# Allegro board NewTMR-March-2-2026.brd (continued)
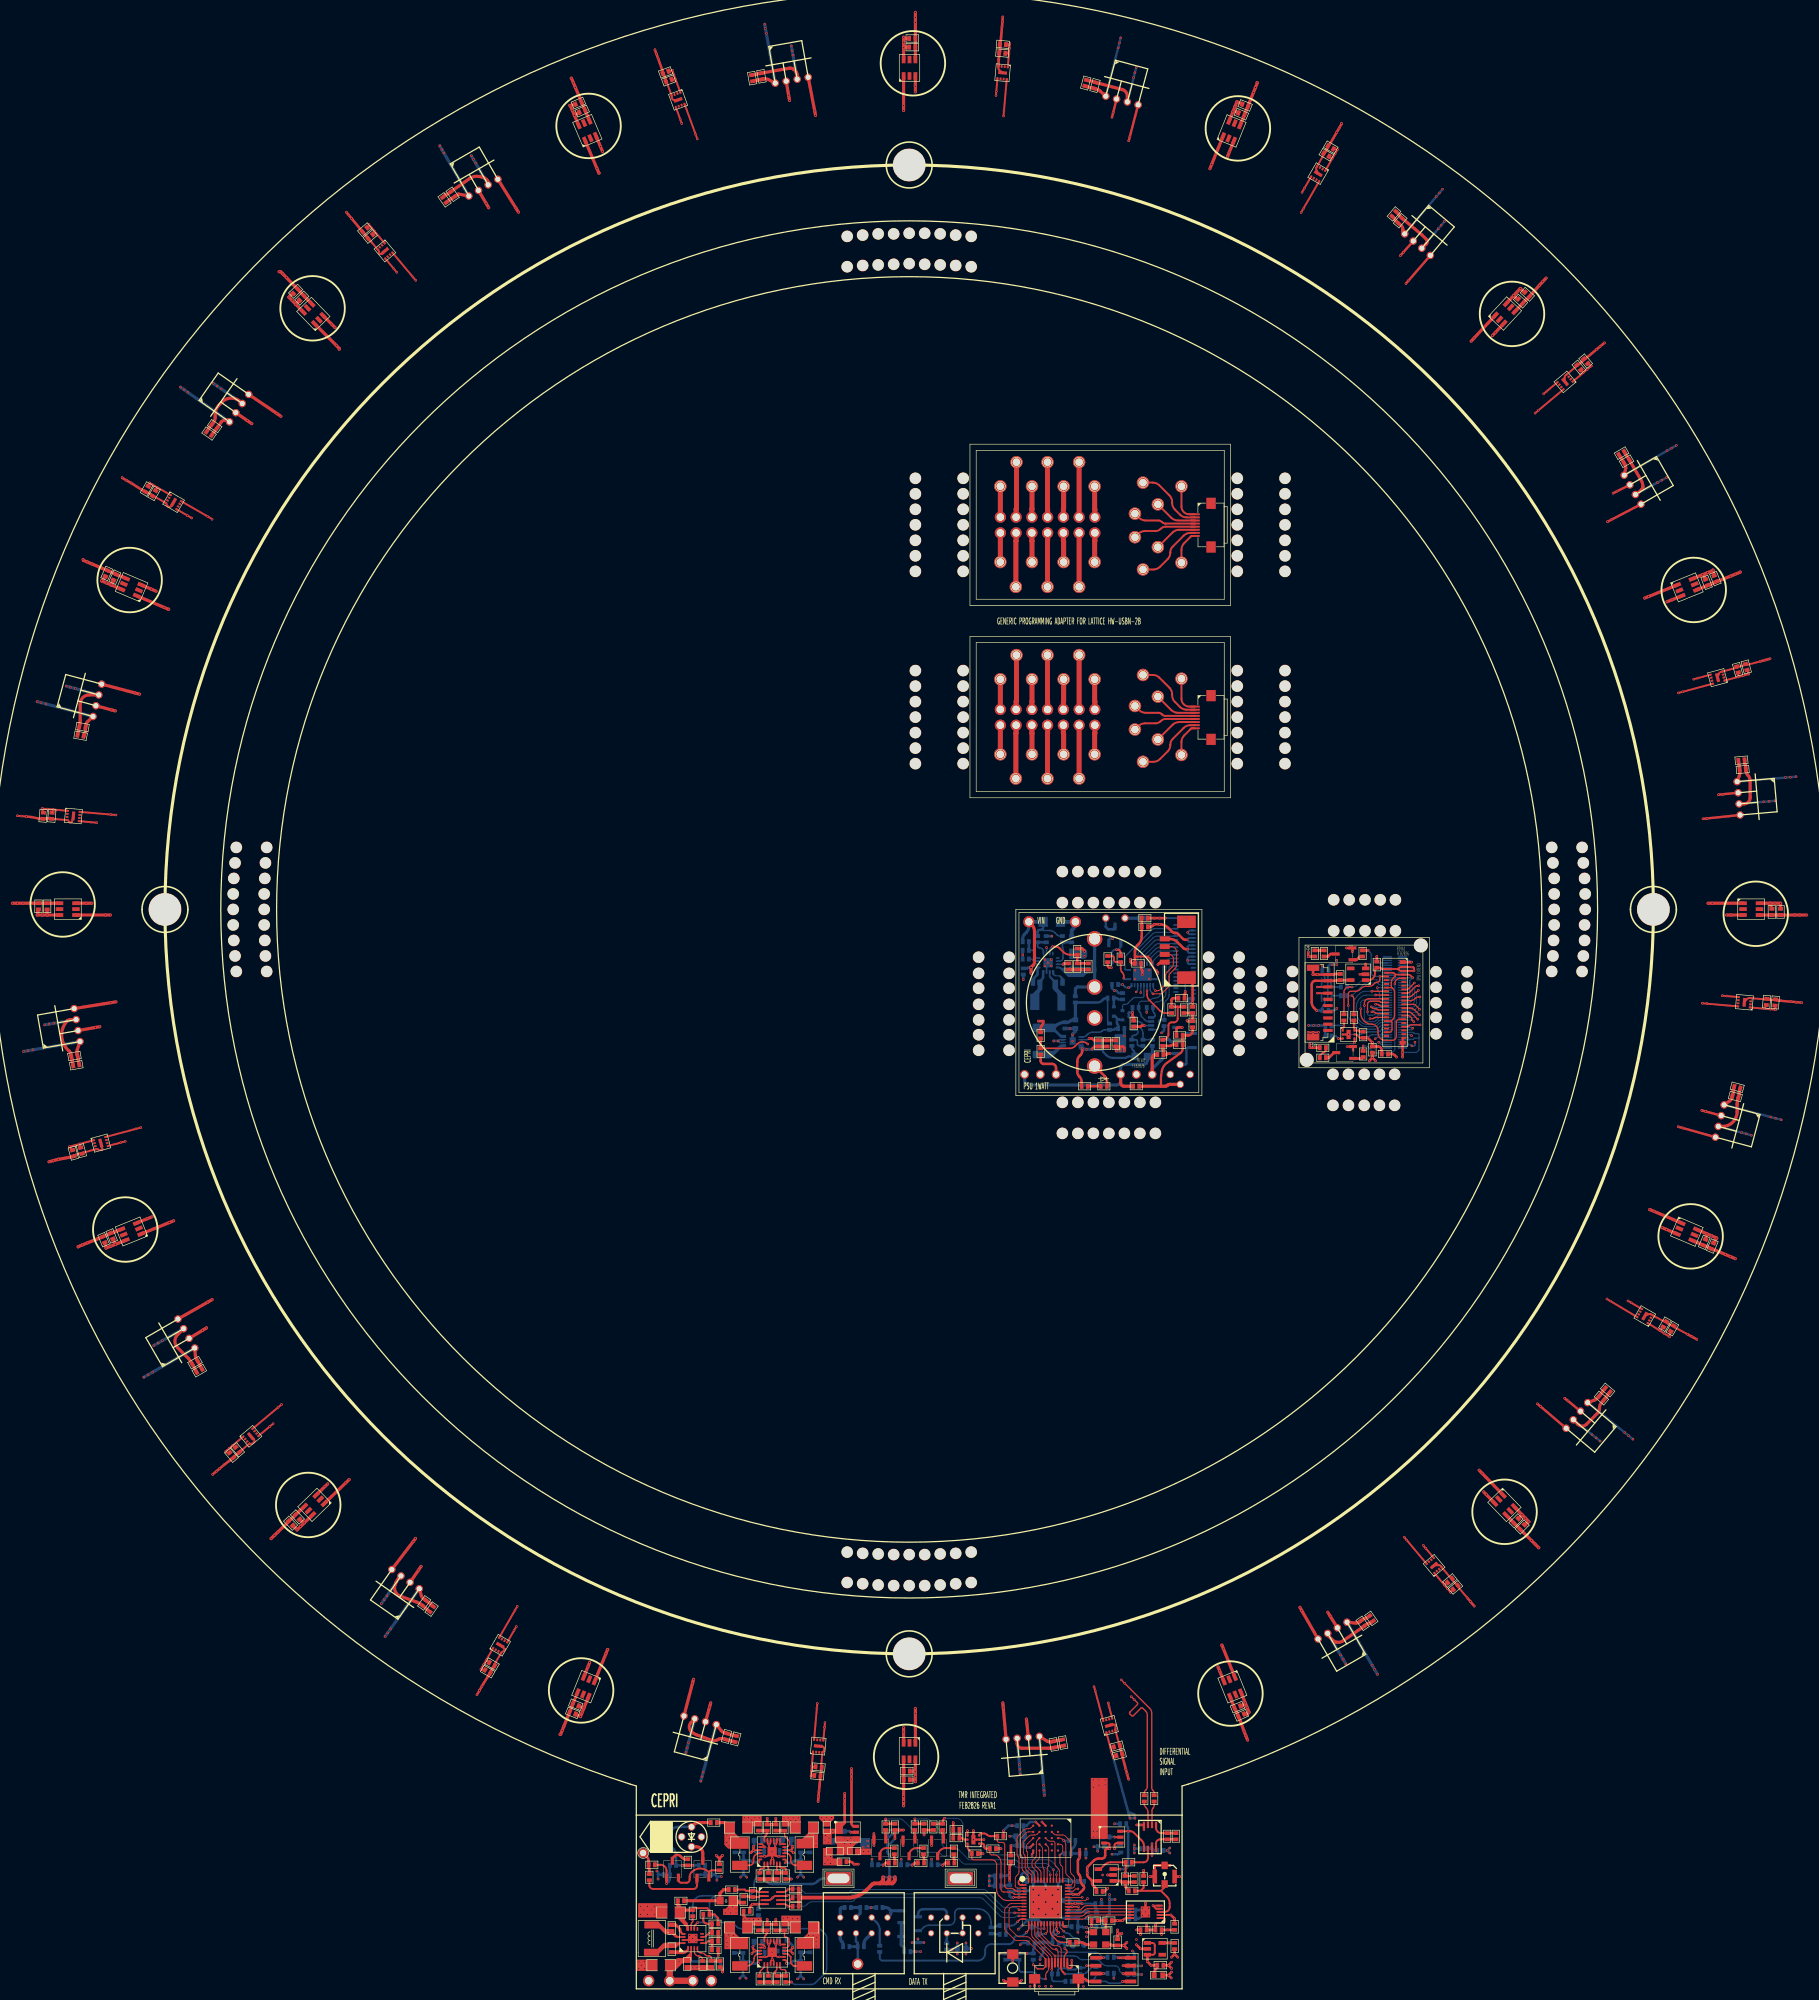
[diagram p0: board, top side]
## Nets (continued)
P5V0_TO_CAMERA_BRD: J4.1 J5.1 R103.2 R112.2 R116.1
P5V0_WEAK: J3.17 J3.19 J3.21
VIN: C122.1 C124.1 R50.1 R52.1 R74.1 TP5.1(TP) TP6.1(TP) U59.2
VIN_3495290: C180.1 C183.1 R96.1 R97.1 R98.1 TP13.1(TP) U63.2
0: C197.2 C198.2 C199.2 C200.2 C201.2 C202.2 J11.5 J11.6 J11.7 J11.8 J11.12 J11.13 J11.15 J11.18 J11.37 J11.38 J11.44 J11.47 J11.50 J11.53 J11.56 J11.57 J11.67 J11.70 J12.1 J12.4 J12.7 J12.10 J12.28 J12.35 J12.36 J12.40 J12.41 J13.10 J13.11 J13.12 Q11.2(EMITTER) Q12.2(EMITTER) U67.2 U67.4 U67.7 U68.2 U68.3 U69.2
AD_CNV: U57.28 U58.6
AD_SCK: U57.26 U58.8
AD_SDI: U57.25 U58.9
AD_SDO: U57.27 U58.7
ALERT: R14.1 U53.3 U57.3
ALERT2: R32.1 U56.8 U57.9
ALERT3: J3.16 R94.1 U65.8
ALERT_3271469: R136.1 U67.3
AUTO_EN: D8.2 R101.2 R113.1
BIAS_1V25: C127.1 U50.6(VREF) U51.5 U55.3
CDONE: J2.8 R75.2 U57.7
CMD_RXD: R80.2 U57.13
CRESET: C176.2 J2.7 R76.2 SW1.1 U57.8
DATA_TXD: C166.1 R69.1 U57.12
EN_ME1: R55.1 R56.1 U61.5 U61.6
EN_ME2: R28.1 R29.1 U54.5 U54.6
EXT_12MHZ: R49.1 U57.20
FAST_CS: J2.4 R78.1 U57.16 U62.1
FAST_SCLK: J2.5 R88.1 U57.15 U62.6
FLASH_DI: R84.1 R89.1 U62.5
FLASH_DO: R85.2 R87.2 U62.2
IAM_ALIVE: D9.2 U66.15
ICE_SI: J2.3 R84.2 R85.1 U57.17
ICE_SO: J2.6 R87.1 R89.2 U57.14
IO-15: J3.10
IO_18: TP8.1(TP) U57.18
IO_19: TP9.1(TP) U57.19
IO_21: TP11.1(TP) U57.21
IO_23: TP10.1(TP) U57.23
IO_31: U57.31
IO_32: U57.32
IO_34: U57.34
IR_1V8: C197.1 C198.1 C201.1 J11.9 J11.10 J11.11 R135.2 R136.2 R138.2 U67.5(V+) U69.3 U69.6
IR_3V3: J11.14 J11.16
IR_5V0: C200.1 D10.2 D11.2 J11.1 J11.2 J11.3 J11.4 J12.37 J12.38 J12.39 U68.1
IR_D0: J11.19 J12.26
IR_D1: J11.36 J12.27
IR_D2: J11.21 J12.24
IR_D3: J11.34 J12.25
IR_D4: J11.23 J12.22
IR_D5: J11.32 J12.23
IR_D6: J11.27 J12.20
IR_D7: J11.30 J12.21
IR_D8: J11.33 J12.18
IR_D9: J11.28 J12.19
IR_D10: J11.31 J12.16
IR_D11: J11.26 J12.17
IR_D12: J11.29 J12.14
IR_D13: J11.24 J12.15
IR_D14: J11.49 R139.2 R141.1
IR_D15: J11.51 R140.1 R142.1
IR_HSYNC: J11.22 J12.13
IR_PCLK: J11.35 J12.11
IR_UART_RX: J11.20 J12.33 R137.1
IR_UART_TX: J11.17 J12.34 R134.1
IR_VSYNC: J11.25 J12.12
LED0: R8.1 R9.1 U57.39
LED1: R6.1 R7.1 U57.40
LED2: R4.1 R5.1 U57.41
NC.A2: U52.A2
NC.A5: U52.A5
NC.B1: U52.B1
NC.B3: U52.B3
NC.B4: U52.B4
NC.B5: U52.B5
NC.C5: U52.C5
PGOOD: R29.2 R40.2 R56.2 U59.11
PGOOD_3495658: R107.2 U63.11
RAM_ADQ0: U52.D3 U57.45
RAM_ADQ1: U52.D2 U57.47
RAM_ADQ2: U52.C4 U57.42
RAM_ADQ3: U52.D4 U57.43
RAM_ADQ4: U52.D5 U57.44
RAM_ADQ5: U52.E3 U57.46
RAM_ADQ6: U52.E2 U57.48
RAM_ADQ7: U52.E1 U57.2
RAM_CE: R57.1 U52.A3 U57.36
RAM_CLK: U52.B2 U57.35
RAM_DQS: U52.C3 U57.38
RAM_RST: R60.1 U52.A4 U57.37
REF2V5: C1.1 C2.1 C3.1 C4.1 C5.1 C6.1 C7.1 C8.1 C9.1 C10.1 C11.1 C12.1 C13.1 C14.1 C15.1 C16.1 C17.1 C18.1 C19.1 C20.1 C21.1 C22.1 C23.1 C24.1 C25.1 C26.1 C27.1 C28.1 C29.1 C30.1 C31.1 C32.1 C33.1 C34.1 C35.1 C36.1 C37.1 C38.1 C39.1 C40.1 C41.1 C42.1 C43.1 C44.1 C45.1 C46.1 C47.1 C48.1 C49.1 C50.1 C51.1 C52.1 C53.1 C54.1 C55.1 C56.1 C57.1 C58.1 C59.1 C60.1 C61.1 C62.1 C63.1 C64.1 C65.1 C66.1 C67.1 C68.1 C69.1 C70.1 C71.1 C72.1 C73.1 C74.1 C75.1 C76.1 C77.1 C78.1 C79.1 C80.1 C81.1 C82.1 C83.1 C84.1 C85.1 C86.1 C87.1 C88.1 C89.1 C90.1 C91.1 C92.1 C93.1 C94.1 C95.1 C96.1 C117.2 C118.2 U1.6 U2.1(VDD) U3.3(VDD) U4.1(VDD) U5.3(VDD) U6.6 U7.6 U8.1(VDD) U9.3(VDD) U10.3(VDD) U11.1(VDD) U12.6 U13.6 U14.1(VDD) U15.3(VDD) U16.3(VDD) U17.1(VDD) U18.6 U19.6 U20.1(VDD) U21.3(VDD) U22.3(VDD) U23.1(VDD) U24.6 U25.6 U26.1(VDD) U27.3(VDD) U28.3(VDD) U29.1(VDD) U30.6 U31.6 U32.1(VDD) U33.3(VDD) U34.3(VDD) U35.1(VDD) U36.6 U37.6 U38.1(VDD) U39.3(VDD) U40.3(VDD) U41.1(VDD) U42.6 U43.6 U44.3(VDD) U45.1(VDD) U46.3(VDD) U47.1(VDD) U48.6 U49.6(VREF) U58.1
RFU: U52.C2
SCL: R17.1 U53.1 U57.4
SCL2: R39.1 U56.5 U57.11
SCL3: J3.18 R90.1 U65.5
SDA: R21.1 U53.6 U57.6
SDA2: R35.1 U56.6 U57.10
SDA3: J3.20 R93.1 U65.6
SYNC-1: R45.2 R46.1 U61.11(SYNC)
SYNC-2: R11.2 R12.1 U54.11(SYNC)
TXD1_1V8: J3.12 R123.1
UPLD_TXD1: R24.1 R30.1 TP1.1(TP)
VCAP_PSU: C188.1 C188.3 R91.1 R92.2
X1: R1.1 U1.3 U2.5 U3.2 U4.5 U5.2 U6.3 U7.3 U8.5 U9.2 U10.2 U11.5 U12.3 U13.3 U14.5 U15.2 U16.2 U17.5 U18.3 U19.3 U20.5 U21.2 U22.2 U23.5 U24.3 U25.3 U26.5 U27.2 U28.2 U29.5 U30.3 U31.3 U32.5 U33.2 U34.2 U35.5 U36.3 U37.3 U38.5 U39.2 U40.2 U41.5 U42.3 U43.3 U44.2 U45.5 U46.2 U47.5 U48.3
X2: R2.1 U1.1(X2) U2.8 U3.4 U4.8 U5.4 U6.1(X2) U7.1(X2) U8.8 U9.4 U10.4 U11.8 U12.1(X2) U13.1(X2) U14.8 U15.4 U16.4 U17.8 U18.1(X2) U19.1(X2) U20.8 U21.4 U22.4 U23.8 U24.1(X2) U25.1(X2) U26.8 U27.4 U28.4 U29.8 U30.1(X2) U31.1(X2) U32.8 U33.4 U34.4 U35.8 U36.1(X2) U37.1(X2) U38.8 U39.4 U40.4 U41.8 U42.1(X2) U43.1(X2) U44.4 U45.8 U46.4 U47.8 U48.1(X2)
N1648364: C155.1 C156.1 FB2.1 U57.30
N1648368: C154.1 FB1.1 U57.5
N1648564: R86.1 U62.3(W\P\(IO2))
N1648568: R83.1 U62.7
N1648824: C160.1 C161.1 R68.1 U57.29
N1648996: C165.1 D6.1(K) U57.24(VPP_2V5)
N1650132: C129.1 C135.1 L7.1 U52.D1 U52.E4
N1650410: Q1.1 R4.2
N1650418: Q2.1 R6.2
N1650426: Q3.1 R9.2
N3114235: L6.1 U61.9
N3114271: R54.1 U61.2
N3114319: C172.1 R72.1 R81.2 U61.7
N3114529: C113.2 R44.1 U61.18
N3114639: L5.1 U61.22
N3114667: R53.1 U61.1
N3114699: C173.1 R73.1 R82.2 U61.24
N3116255: L3.1 U54.9
N3116291: R27.1 U54.2
N3116339: C138.1 R58.1 R61.2 U54.7
N3116549: C99.2 R10.1 U54.18
N3116659: L2.1 U54.22
N3116687: R26.1 U54.1
N3116719: C139.1 R59.1 R62.2 U54.24
N3119450: C116.1 L4.2 U59.14
N3119456: C121.2 L4.1 U59.16
N3119520: C121.1 U59.1
N3119553: C116.2 U59.13
N3119651: R51.1 R52.2 U59.4
N3122265: R71.1 R74.2 U59.10
N3122703: C123.2 U59.3
N3123371: C110.2 C111.2 R38.2 R40.1 R43.1 U59.12(VOUT)
N3124274: C111.1 R43.2 R47.1 U59.7
N3124471: R33.2 R37.1 R38.1
N3127570: R48.1 R50.2 U59.5
N3144574: LD1.1 R3.2 R22.1 R63.1 R64.1
N3144674: LD1.2 Q5.3
N3144682: Q4.1 R24.2 R64.2 R66.1
N3144686: Q4.3 R22.2
N3144698: Q5.1 R30.2 R63.2 R65.1
N3144846: Q4.2(E) Q5.2(E) R25.1
N3153529: D5.2 D5.6 D5.7 R79.2
N3153778: D5.3 Q7.3
N3267503: D10.1(CATHODE) R133.2
N3267563: D11.1(CATHODE) R132.2
N3267651: Q11.3 R132.1
N3267655: Q12.3 R133.1
N3267743: Q11.1 R134.2
N3267747: Q12.1 R137.2
N3268106: R138.1 R141.2 U67.6
N3271476: R135.1 R142.2 U67.1
N3452855: R41.1 R42.1 Y1.1
N3452915: R49.2 Y1.3
N3466785: Q6.3 Q7.1 R67.1
N3495194: C181.1 U63.1
N3495202: C181.2 L9.1 U63.16
N3495214: C182.1 L9.2 U63.14
N3495226: C182.2 U63.13
N3495436: C184.2 C185.2 R91.2 R99.1 R107.1 U63.12(VOUT)
N3495602: R98.2 R111.1 U63.4
N3495610: C185.1 R99.2 R106.1 U63.7
N3495638: R96.2 R109.1 U63.10
N3495642: R97.2 R110.1 U63.5
N3495714: C192.2 U63.3
N3499160: C186.2 C187.1 L10.1 R92.1 R100.2 R101.1 R104.2 U64.4
N3499168: L10.2 U64.1
N3499358: R100.1 R108.2 U64.7
N3499470: D8.1(K) D9.1(K) R104.1 R114.2 U64.5
N3499478: C189.2 R102.1 R115.2 U64.6
N3499574: D7.2 R105.1
N3503239: C191.2 R95.1 U65.1
N3503246: C191.1 R112.1 U65.2
N3506922: C196.1 R130.1 R131.1 U66.2 U66.10
N3509536: LD2.1 R116.2 R117.1 R118.1 R119.1
N3509646: LD2.2 Q9.3
N3509654: Q8.1 R117.2 R121.2 R124.1
N3509658: Q8.3 R118.2
N3509670: Q9.1 R119.2 R122.1 R125.1
N3509830: Q8.2(E) Q9.2(E) R126.1
N3510191: R127.1 TP15.1(TP)
N3510243: Q10.3 TP16.1(TP)
N3512300: R120.2 R121.1 R122.2 R123.2
N3515615: Q10.1 R128.1 R129.1
N3521974: R1.2 U51.3
N3522018: R2.2 U51.2
N3522194: R15.2 R16.2 U51.1
N3522206: R15.1 R16.1 U51.8
N3524759: C130.1 U50.5
N3527418: C105.1 R23.1 R31.2 U55.4
N3527435: C105.2 R31.1 R34.1 U55.1
N3527532: R23.2 U51.6(VOUT)
N3530743: C106.2 J1.1 R34.2 U58.3
N3546634: C128.1 U49.5
N3564575: C162.2 D4.3(VCC) L8.2
N3565945: C178.2 D4.6 R77.2 TP12.1(TP)
N3566834: D4.2 R80.1
N3567309: C166.2 R70.1
N3567360: Q6.1 R69.2 R70.2
N3576651: C108.2 R33.1 U56.1
N3576675: C108.1 R36.1 U56.2
N3652906: C194.2 R129.2
N3673990: J7.1 TP17.1(TP)
N3674102: J7.13 TP23.1(TP)
N3674106: J7.11 TP22.1(TP)
N3674110: J7.9 TP21.1(TP)
N3674114: J7.7 TP20.1(TP)
N3674118: J7.5 TP19.1(TP)
N3674122: J7.3 TP18.1(TP)
N3674280: J7.2 TP30.1(TP)
N3674284: J7.4 TP29.1(TP)
N3674288: J7.6 TP28.1(TP)
N3674292: J7.8 TP27.1(TP)
N3674296: J7.10 TP26.1(TP)
N3674300: J7.12 TP25.1(TP)
N3674304: J7.14 TP24.1(TP)
N3674354: J8.1 TP31.1(TP)
N3674484: J8.2 TP32.1(TP)
N3674488: J8.3 TP33.1(TP)
N3674492: J8.4 TP34.1(TP)
N3674496: J8.5 TP35.1(TP)
N3674500: J8.6 TP36.1(TP)
N3674504: J8.7 TP37.1(TP)
N3674508: J8.8 TP38.1(TP)
N3674998: J9.1 TP39.1(TP)
N3675002: J9.2 TP40.1(TP)
N3675030: J10.1 TP41.1(TP)
N3675046: J9.3 TP42.1(TP)
N3675050: J9.4 TP43.1(TP)
N3675078: J10.2 TP44.1(TP)
N3675094: J9.5 TP45.1(TP)
N3675098: J9.6 TP46.1(TP)
N3675126: J10.3 TP47.1(TP)
N3675142: J9.7 TP48.1(TP)
N3675146: J9.8 TP49.1(TP)
N3675174: J10.4 TP50.1(TP)
N3675190: J9.9 TP51.1(TP)
N3675194: J9.10 TP52.1(TP)
N3675222: J10.5 TP53.1(TP)
N3675238: J9.11 TP54.1(TP)
N3675242: J9.12 TP55.1(TP)
N3675270: J10.6 TP56.1(TP)
N3675274: J9.13 TP57.1(TP)
N3675278: J9.14 TP58.1(TP)
N3675294: J10.7 TP59.1(TP)
N3675298: J10.8 TP60.1(TP)
N3710404: C199.1 C202.1 J13.9 U68.5(OUT) U69.7(VCCB)
N3715489: J13.7 U69.8
N3715512: J13.8 U69.1
N3718029: R139.1 U69.5
N3718139: R140.2 U69.4
N16499101: D1.1(CATHODE) R18.2
N16499261: D2.1(CATHODE) R19.2
N16499421: D3.1(CATHODE) R20.2
N16501820: Q1.3 R18.1
N16501980: Q2.3 R19.1
N16502140: Q3.3 R20.1

Pads without a net: D5 1 4 5 8; J3 1 2 3 4 5 6 7 8 9 11 13 14 15 38; J4 2; J5 2; J8 9 10; J10 9 10; J11 39 40 41 42 43 45 46 48 52 54 55 58 59 60 61 62 63 64 65 66 68 69; J12 2 3 5 6 8 9 29 30 31 32; J13 1 2 3 4 5 6; LD1 3 4; LD2 3 4; U1 2 5; U2 2 3 6 7; U4 2 3 6 7; U6 2 5; U7 2 5; U8 2 3 6 7; U11 2 3 6 7; U12 2 5; U13 2 5; U14 2 3 6 7; U17 2 3 6 7; U18 2 5; U19 2 5; U20 2 3 6 7; U23 2 3 6 7; U24 2 5; U25 2 5; U26 2 3 6 7; U29 2 3 6 7; U30 2 5; U31 2 5; U32 2 3 6 7; U35 2 3 6 7; U36 2 5; U37 2 5; U38 2 3 6 7; U41 2 3 6 7; U42 2 5; U43 2 5; U45 2 3 6 7; U47 2 3 6 7; U48 2 5; U59 8 9; U60 4; U63 8 9; U68 4

## Via types
v1: diameter 0.4, hole 0.2, TOP to BOTTOM, 1026 vias
v2: diameter 0.6, hole 0.3, TOP to BOTTOM, 15 vias

## Routing (per net, layer and track width the routed paths; a pad name or vN(x,y) marks a point on that pad's centre or on a via; arc(x,y) is an arc through that point)
GND: length 210.7
  TOP w0.2: v1(165.5,5.3) 165.76,5.04 arc(165.86,4.8) 165.76,4.56 165.69,4.49 arc(165.47,4.17) 165.4,3.8 J2.2
  TOP w0.22: v1(118.9,5.9) 118.9,5.58 arc(118.85,5.32) 118.7,5.1 v1(118.3,4.7) 117.98,5.02 arc(117.82,5.26) 117.76,5.55 v1(117.76,5.9)
  TOP w0.25: U61.17 117.55,6.23 arc(117.57,6.12) 117.64,6.02 v1(117.76,5.9) 117.92,6.06 arc(118.02,6.2) 118.05,6.37 U61.16 ; v1(118.3,4.7) 118.3,4.31 118.33,4.28 v1(118.33,3.57) ; v1(118.3,4.7) 118.93,4.07 arc(119.06,3.98) 119.23,3.95 v1(119.45,3.95) U61.8 ; v1(118.3,4.7) 117.69,4.09 arc(117.53,3.99) 117.35,3.95 v1(117.1,3.95) U61.23 ; v1(118.3,20.9) 118.61,21.21 arc(118.75,21.42) 118.8,21.68 v1(118.8,22) ; v1(118.3,20.9) 117.69,20.29 arc(117.53,20.19) 117.35,20.15 v1(117.1,20.15) U54.23 ; v1(118.3,20.9) 117.99,21.21 arc(117.85,21.42) 117.8,21.68 v1(117.8,22) ; v1(118.33,3.57) 118.17,3.41 arc(118.08,3.28) 118.05,3.12 U61.3 ; v1(118.33,3.57) 118.46,3.44 arc(118.53,3.34) 118.55,3.22 U61.4 ; U59.6 106.29,6.66 106.15,6.81 arc(106.03,6.89) 105.89,6.91 v1(105.5,6.91) 105.11,6.91 arc(104.97,6.89) 104.85,6.81 104.71,6.66 U59.15 ; v1(118.8,22) 118.66,22.14 arc(118.58,22.26) 118.55,22.4 U54.15 ; v1(118.8,22) 118.94,22.14 arc(119.02,22.26) 119.05,22.4 U54.14 ; U61.12 v1(119.55,5.95) U61.13 ; U54.17 117.55,22.4 arc(117.58,22.26) 117.66,22.14 v1(117.8,22) ; U54.3 118.05,19.3 arc(118.09,19.48) 118.19,19.63 v1(118.36,19.8) 118.47,19.69 arc(118.53,19.6) 118.55,19.5 U54.4 ; U54.13 v1(119.55,22.15) U54.12 ; U61.20 v1(117.1,5.45) 117.1,5.6 arc(117,5.85) 116.75,5.95 U61.19 ; v1(117.8,22) 117.94,22.14 arc(118.02,22.26) 118.05,22.4 U54.16 ; U54.8 v1(119.4,20.15) ; U61.14 119.05,6.05 v1(118.9,5.9) 118.66,6.14 arc(118.58,6.26) 118.55,6.4 U61.15 ; U54.20 v1(117.15,21.65) 116.65,22.15 U54.19
  TOP w0.3: U56.3 117.78,13.1 arc(117.98,13.14) 118.15,13.25 v1(118.35,13.45) 118.52,13.62 arc(118.66,13.72) 118.83,13.75 U56.7 120.65,13.75 v1(120.8,13.9) ; U53.4 v1(149.8,24.3) ; v1(152.46,22.86) U53.2 151.28,22.86 151.27,22.85 v1(150.75,22.85) ; U58.5 v1(179.71,12.21) 180.21,11.71 U58.4 ; v1(119.4,20.15) 119.2,20.15 arc(119.06,20.18) 118.95,20.25 v1(118.3,20.9) 118.3,19.86 v1(118.36,19.8) ; v1(160.2,20.3) 160.2,20.5 160.4,20.7 U52.E5 ; U52.C1 v1(161.8,25.7)
  TOP w0.4: R48.2 v1(109.6,7.2) R47.2 ; U62.4 169.46,-0.01 arc(169.22,0.04) 169,0.18 168.95,0.24 arc(168.74,0.38) 168.49,0.43 167.67,0.43 v1(167.67,-0.8) ; v1(174,7.7) v1(174.7,7.7) ; v1(174,7.7) C119.2 ; v1(174,7.7) v1(174,8.3) ; C101.2 v1(147.5,23.8) C100.2 v1(147.5,25.6) ; Y1.2 v1(169,7.94) ; v1(150.75,22.85) v1(150.75,24.3) ; 109.8,19.8 R25.2 ; 109.8,19.8 v1(110.3,20.3) ; 109.8,19.8 v1(109.3,20.3) ; v1(134.71,21.9) Q1.2 v1(134.71,23.83) ; C104.2 130.86,19.3 arc(131.08,19.26) 131.27,19.13 v1(131.5,18.9) v1(132.2,18.9) ; C103.2 v1(156.8,21.9) ; v1(113.9,10) 113.9,10.4 113.7,10.6 C109.1 ; 160.62,0.43 v1(160.62,-0.78) ; C123.1 v1(107.8,2.3) 107.89,2.3 107.91,2.31 R51.2 ; v1(178.5,11.2) v1(178.5,12.6) ; R42.2 v1(169.8,8.9) ; Q3.2 v1(144.01,21.9) ; v1(155.6,0.2) 155.78,0.02 arc(155.91,-0.07) 156.07,-0.1 SW1.2 158.03,-0.1 arc(158.19,-0.07) 158.32,0.02 v1(158.5,0.2) ; Q2.2 v1(139.41,21.9)
  GND w0.381: D4.1 137.58,10.3 ; D4.1 136.9,9.62 ; D4.1 136.22,10.3 ; D4.1 136.9,10.98 ; D4.5 129.28,8.44 ; D4.5 129.96,7.76 ; D4.5 128.6,7.76 ; D4.5 129.28,7.08 ; 129.28,9.62 D4.4 ; D4.4 129.96,10.3 ; D4.4 129.28,10.98 ; D4.4 128.6,10.3 ; D4.7 134.36,8.44 ; D4.7 133.68,7.76 ; D4.7 135.04,7.76 ; D4.7 134.36,7.08 ; 148.7,15.42 TP3.1 ; TP3.1 148.7,17.78 ; TP3.1 146.52,16.6 ; TP3.1 150.88,16.6 ; 97.32,0.1 TP4.1 ; TP4.1 98.4,1.18 ; TP4.1 99.48,0.1 ; D4.8 136.9,8.44 ; D4.8 136.9,7.08 ; D4.8 137.58,7.76 ; D4.8 136.22,7.76 ; TP7.1 108.5,1.18 ; TP7.1 107.42,0.1 ; TP7.1 109.58,0.1
  GND w0.4: v1(156.6,23.4) 156.6,22.1 v1(156.8,21.9) ; v1(169,7.2) v1(169,7.94) v1(169,8.7) ; v1(161.5,3.5) v1(161.5,2.8) ; v1(159.9,-0.78) v1(160.62,-0.78) v1(161.38,-0.78) v1(162.4,-0.78) v1(163.3,-0.78) 163.83,-0.78 163.94,-0.9 167.04,-0.9 167.14,-0.8 v1(167.67,-0.8) v1(168.5,-0.8)
  BOTTOM w0.4: 113.7,17.3 R62.1 ; 113.7,17.3 v1(114.2,16.8) ; 113.7,17.3 v1(113.2,16.8) ; v1(156.8,21.9) C135.2 157.8,22.56 157.6,22.76 C129.2 v1(156.6,23.4) ; v1(119.4,20.15) 119.5,20.25 C142.1 ; R48.2 v1(109.6,7.2) ; C145.2 v1(144,19.7) ; C159.2 v1(116.1,10) ; C155.2 164.5,13 v2(164.3,12.8) ; Q6.2 v1(142.78,6.26) ; Q6.2 v1(140.85,6.26) ; Q6.2 v1(141.82,6.84) ; C168.1 116.8,5.92 arc(116.83,5.76) 116.92,5.63 v1(117.1,5.45) ; v1(165.5,5.3) 165.5,5.79 arc(165.38,6.08) 165.09,6.2 C169.2 ; C156.2 v1(171.4,13.23) ; C151.2 161.79,16.1 arc(162.22,15.92) 162.4,15.49 v2(162.4,14.8) ; C151.2 v2(160.4,14.8) 159.91,14.8 159.71,14.6 C154.2 ; C151.2 C148.2 ; C150.2 166.89,16.1 166.79,16.2 C152.2 165.06,16.2 arc(164.59,16.01) 164.4,15.54 v2(164.4,14.8) ; C176.1 v1(155,4.5) ; C175.1 v1(117.1,3.95) ; v1(119.55,5.95) 119.5,6 119.5,6.4 119.3,6.6 C167.1 118.9,6.3 v1(118.9,5.9) ; 122.9,17.3 v1(122.4,16.8) ; 122.9,17.3 R61.1 ; 122.9,17.3 v1(123.4,16.8) ; v1(117.8,22) 117.8,22.4 117.62,22.58 arc(117.49,22.67) 117.33,22.7 C134.1 ; C179.2 v1(149.55,6.2) ; C179.2 v1(150.45,5.3) ; C179.2 v1(149.55,4.4) ; v1(178,10.6) 177.68,10.28 arc(177.48,10.15) 177.24,10.1 C163.2 C158.1 177.53,11.5 arc(177.69,11.53) 177.82,11.62 v1(178,11.8) ; C177.2 176.69,4.44 arc(176.66,4.59) 176.58,4.72 v1(176.4,4.9) ; v1(169,8.7) 168.47,8.7 168.37,8.8 C165.2 ; v2(164.4,10.8) 164.73,10.47 arc(165.03,10.27) 165.38,10.2 C161.2 C160.2 C165.2 ; v1(99.7,17.8) 99.9,17.6 99.9,17.2 ; 113.6,1 R82.1 ; 113.6,1 v1(113.1,0.5) ; 113.6,1 v1(114.1,0.5) ; 122.9,0.9 v1(122.4,0.4) ; 122.9,0.9 R81.1 ; 122.9,0.9 v1(123.4,0.4) ; 109.4,16.9 109.22,17.08 arc(109.08,17.18) 108.91,17.21 R65.2 ; 109.4,16.9 v1(109.4,16.3) ; 109.4,16.9 v1(110.1,16.9) ; v1(118.3,4.7) 118.5,4.9 C174.1 ; C165.2 v1(167.6,7.9) ; v1(119.55,22.15) 119.6,22.15 arc(119.88,22.27) 120,22.55 C131.1 119.27,22.9 arc(119.11,22.87) 118.98,22.78 118.92,22.72 arc(118.83,22.59) 118.8,22.43 v1(118.8,22) ; C147.2 v1(134.4,19.7) ; C171.2 162,4.7 arc(161.94,4.41) 161.78,4.17 161.5,3.89 v1(161.5,3.5) ; v1(158.3,5.9) 158.48,6.08 arc(158.61,6.17) 158.77,6.2 C170.2 ; v1(168.9,21.33) C144.2 v1(168.9,19.87) ; v1(117.15,21.65) 117,21.5 C143.1 117,20.25 v1(117.1,20.15) ; 99.9,17.2 R66.2 ; 99.9,17.2 v1(99.9,16.5) ; C164.2 169.9,8.8 v1(169.8,8.9) ; C146.2 v1(139.1,19.7) ; C149.2 v1(153.3,17) v1(153.3,16.2) v1(153.3,15.4) C153.2 C149.2
  BOTTOM w0.5: 137.46,11.39 137.46,11.08 arc(137.42,10.88) 137.31,10.71 D4.1 ; 137.46,11.39 139.13,11.39 ; 137.46,11.39 137.17,11.68 arc(136.93,11.84) 136.64,11.9 C157.1 ; C178.1 129.75,5.95 arc(129.7,6.18) 129.58,6.37 129.48,6.47 arc(129.33,6.69) 129.28,6.95 D4.5 ; D4.7 133.38,6.78 arc(133.17,6.47) 133.1,6.1 R77.1 ; C162.1 129.51,11.9 129.28,11.67 D4.4
  vias: v1(96.83,3.17) v1(96.8,2.1) v1(97.1,12.1) v1(97.1,10.8) v1(97.2,2.6) v1(97.6,11.5) v1(97.7,3.17) v1(97.7,2.1) v1(98.2,12.1) v1(98.2,10.8) v1(98.8,11.5) v1(99.3,12.1) v1(99.3,10.8) v1(105,7.4) v1(105,6.4) v1(105.5,2.2) v1(106,7.4) v1(106,6.4) v1(106.2,2.2) v1(113.83,26.37) v1(114.5,26.37) v1(114.6,10) v1(115,26) v1(115.3,10) v1(115.4,25.4) v1(115.4,9.4) v1(115.5,26.37) v1(116.2,26.37) v1(120.13,10.2) v1(120.23,26.37) v1(120.5,25.9) v1(120.8,10.27) v1(120.9,26.37) v1(121.01,9.6) v1(121.3,25.9) v1(121.6,10.1) v1(121.7,26.37) v1(122.1,25.9) v1(122.4,10.1) v1(122.5,26.37) v1(126.3,26.4) v1(126.7,26) v1(127.1,26.4) v1(127.5,26) v1(127.9,26.4) v1(179,11.8) v1(179,10.6) v2(160.4,12.8) v2(160.4,10.8) v2(161.3,13.9) v2(161.3,11.7) v2(162.41,12.8) v2(162.4,10.8) v2(163.5,13.9) v2(163.5,11.7)
GND_FIELD SIGNAL: length 93.4
  TOP w0.4: R108.1 161.6,148.36 arc(161.74,148.04) 162.06,147.9 163.43,147.9 arc(163.89,147.71) 164.08,147.25 J4.3 ; v1(178,162.3) 178,162.87 arc(177.98,162.99) 177.91,163.09 177.89,163.11 arc(177.82,163.21) 177.8,163.33 C196.2 ; 174.4,150.7 174.9,150.7 175.1,150.5 v1(175.1,150) ; 174.4,150.7 v1(174.4,150) ; 174.4,150.7 R115.1 173.7,150.5 173.8,150.4 v1(173.8,150) ; J6.4 182.4,168.05 arc(183.07,167.92) 183.63,167.54 184.61,166.56 arc(184.79,166.44) 185,166.4 v1(185.3,166.4) ; J6.6 186.1,160.8 v1(186.1,157.77) R124.2 ; v1(178.3,154.08) 177.91,154.08 177.73,153.9 C193.1 ; D7.1 172.3,144.96 arc(172.19,145.5) 171.88,145.97 C188.4 ; R106.2 168.3,166.5 168.65,166.15 v1(168.65,166.03)
  TOP w0.5: J5.3 179.58,148.89 arc(179.62,149.07) 179.72,149.22 179.76,149.26 arc(179.91,149.36) 180.09,149.4 R125.2
  GND w0.381: 170.3,153.87 C188.2 ; C188.2 170.3,156.73 ; C188.2 171.73,155.3 ; C188.2 168.87,155.3 ; TP14.1 168.28,170.8 ; TP14.1 167.2,169.72 ; TP14.1 167.2,171.88 ; TP14.1 166.12,170.8 ; 163.2,146.2 J4.3 ; J4.3 164.08,145.32 ; J4.3 164.96,146.2 ; J4.3 164.08,147.08 ; C188.4 171.73,147.55 ; C188.4 168.87,147.55 ; C188.4 170.3,146.12 ; C188.4 170.3,148.98 ; J5.3 180.46,146.2 ; J5.3 179.58,145.32 ; J5.3 179.58,147.08 ; J5.3 178.7,146.2
  BOTTOM w0.25: U65.7 v1(178.3,154.08) 177.96,154.42 arc(177.62,154.65) 177.22,154.73 U65.3 ; U63.15 162.55,163.45 v1(162.3,163.7) ; U63.6 v1(162.55,166.65) ; U64.2 164.65,151.35 v1(164.4,151.6) 164.6,151.8 U64.3
  BOTTOM w0.28: U66.11 179.54,161.55 179.49,161.6 v1(179.1,161.6)
  BOTTOM w0.3: J3.35 185.6,169.4 v1(185.3,169.1) 185.6,168.8 J3.33 ; J3.25 v1(185.3,166.4) ; v1(185.3,166.4) 185.3,166.8 185.5,167 J3.27 ; v1(185.3,166.4) 185.3,166 185.5,165.8 J3.23
  BOTTOM w0.4: J3.40 185.43,158.4 185.3,158.27 185.3,157.9 185.43,157.77 v1(186.1,157.77) ; J3.41 v1(185.17,171.4) ; C180.2 v1(158.8,161.5) ; R110.2 v1(163.4,168.5) ; C192.1 v1(158.7,165.5) R111.2 ; Q10.2 172.6,167.34 172.6,167.9 172.8,168.1 v1(173.2,168.1) ; C195.2 173.1,160.1 v1(173.5,159.7) 173.8,159.7 174.2,159.3 R113.2 ; v1(164.4,151.6) v1(163.7,151.6)
  BOTTOM w0.5: v1(166.75,151.58) v1(166.75,152.6) 166.75,152.7 167.2,153.16 C187.2 v1(166.3,153.6) C186.1 ; R126.2 181.3,148.8 181,148.5 180.99,148.5 179.58,147.09 J5.3 ; R114.1 v1(175.1,152.4)
  BOTTOM w0.6: C183.2 TP14.1 166.9,170.5 166.9,169.71 166.6,169.41 R109.2
  vias: v1(162.3,164.7) v1(162.8,164.2) v1(163.3,164.7) v1(163.3,163.7) v1(168.65,165.25) v1(176.8,163) v1(176.8,161.6) v1(179.1,163)
GND_SIGNAL: length 590.2
  TOP w0.3: v1(265.89,104.32) 263.8,105.46 262.69,106.06 260.67,107.16 U32.4 260.01,107.54 arc(259.83,107.59) 259.64,107.55 U32.9 ; U50.1 v1(170.7,24.2) v1(170.1,24.2) ; 174.29,38.08 U45.4 173.67,40.76 173.67,41.1 173.7,41.16 173.64,41.4 172.81,41.4 U45.9 ; U50.2 v1(170.7,23.25) v1(170.1,23.25) ; 207.45,294.81 U8.4 206.06,292.41 arc(206.01,292.23) 206.05,292.04 U8.9 ; U20.9 270.99,210.83 arc(271.09,210.98) 271.26,211.07 U20.4 273.99,211.81 ; 126.2,34.67 U47.4 126.4,36.93 126.57,37.07 arc(126.67,37.2) 126.7,37.35 126.7,37.54 arc(126.61,37.77) 126.4,37.87 U47.9 ; U4.9 102.9,303.22 arc(102.72,303.19) 102.54,303.23 102.38,303.31 arc(102.2,303.46) 102.12,303.67 102.09,303.99 101.26,306.27 ; 155,310.9 U2.4 154.78,308.46 arc(154.81,308.27) 154.93,308.11 U2.9 ; 126.07,33.15 v1(125.86,30.71) ; 273.99,211.81 C40.2 ; 273.99,211.81 274.04,211.9 275.27,212.22 275.35,212.18 ; v1(230.39,61.83) 228.82,63.7 227.93,64.76 U38.4 226.11,66.96 arc(225.98,67.06) 225.82,67.09 U38.9 ; U23.9 5.4,186.9 5.1,186.8 4.69,187.21 U23.4 2.36,187.4 ; C57.2 7.08,133.43 7.25,133.6 ; U14.9 246.08,258.55 arc(246.11,258.73) 246.23,258.88 U14.4 248.16,260.5 ; C22.2 53.79,280.27 ; 53.79,280.27 53.18,280.99 ; 53.79,280.27 U11.4 54.79,279.09 arc(54.87,278.98) 54.89,278.85 54.89,278.59 55.02,278.44 55.22,278.44 arc(55.34,278.46) 55.45,278.53 U11.9 ; C58.2 5.71,133.09 5.71,133.19 7.25,133.6 ; 7.25,133.6 U29.4 9.55,134.15 9.7,134 10.2,134 10.31,134.19 U29.9 ; 275.35,212.18 v1(277.61,212.78) ; 275.35,212.18 275.35,212.26 C39.2 ; 281.05,158.06 280.31,158.13 278.84,158.26 U26.4 275.86,158.52 arc(275.67,158.49) 275.51,158.37 U26.9 ; 52.27,282.07 v1(50.49,284.19) ; v1(71.5,47.58) 72.77,49.78 73.57,51.16 U41.4 75.05,53.33 arc(75.11,53.39) 75.16,53.46 75.23,53.58 U41.9 ; U35.9 34.76,87.35 arc(34.85,87.13) 34.76,86.91 34.65,86.8 arc(34.48,86.69) 34.28,86.67 34.01,86.69 U35.4 29.98,83.31 ; v1(-3.4,187.9) v1(-2.71,187.84) v1(-1.94,187.77) ; U17.9 21.44,237.84 arc(21.27,237.7) 21.04,237.69 20.93,237.73 arc(20.77,237.84) 20.67,238.01 20.6,238.27 20.55,238.3 18.45,239.51
  TOP w0.35: v1(177.75,25.22) U51.4 v1(178.25,24.45)
  TOP w0.38: C63.2 262.69,106.18 262.69,106.06 ; v1(284.3,157.78) v1(283.43,157.86) v1(282.57,157.93) 281.05,158.06 C52.2 280.15,158.3 280.31,158.13 ; C4.2 155.05,311.03 155.05,312.24 C2.2 ; C4.2 155,310.9 ; C4.2 154.81,309.77 U2.4 ; C91.2 174.31,38.06 174.29,38.08 ; C82.2 73.14,50.37 C81.2 73.57,51.16 ; C82.2 72.85,49.7 72.77,49.78 ; C82.2 71.77,48.04 v1(71.5,47.58) v1(71.1,46.89) v1(70.7,46.2) ; C37.2 270.51,225.67 270.36,225.53 ; 53.18,280.99 C22.2 ; 248.16,260.5 248.09,260.57 C28.2 ; C16.2 207.45,294.81 ; v1(84.74,41.16) C85.2 ; U36.4 42.22,75.93 42.12,75.93 C71.2 41.45,75.23 41.47,75.21 ; C75.2 227.93,64.91 227.93,64.76 ; 269.9,118.07 269.9,118.08 C62.2 ; 88.11,301.69 C13.2 88.41,301.05 U6.4 ; C73.2 40.35,74.22 40.4,74.17 ; C61.2 268.73,118.68 268.92,118.49 ; C34.2 18.45,239.51 ; 263.8,105.46 263.8,105.57 C64.2 ; 249.44,261.57 C27.2 ; C60.2 9.45,119.67 ; C60.2 v1(7.87,119.03) ; C60.2 10.99,120.29 C59.2 12.53,120.94 U30.4 ; U31.4 267.51,119.09 ; C8.2 101.26,306.27 ; C88.2 112.45,39.67 112.03,39.67 ; 279.36,158.23 C51.2 278.71,158.4 278.84,158.26 ; U42.4 86.59,45.76 86.6,45.7 86.44,45.44 C83.2 86.4,45.27 ; 228.82,63.7 228.82,63.8 C76.2 ; 174.67,36.66 174.68,36.66 C92.2 ; v1(125.86,30.71) 126.03,32.4 C95.2 ; C12.2 195.06,302.41 ; 63.35,60.75 63.67,60.42 C78.2 ; C11.2 87.56,302.98 ; C95.2 126.19,33.8 C93.2 126.2,34.61 126.2,34.67 ; C95.2 126.07,33.14 126.07,33.15 ; v1(29.23,82.68) 29.98,83.31 30.89,83.97 C70.2 31.95,84.95 C69.2 ; 100.77,307.61 C5.2 ; 194.56,301.15 C14.2 U7.4 ; 269.87,225.33 269.61,225.07 C38.2 268.87,224.78 268.5,224.78 U19.4 ; C21.2 52.27,282.07 ; 208.07,295.9 C15.2 ; 2.36,187.4 C46.2 1.4,187.47 C45.2 0,187.47 -1.2,187.7 v1(-1.94,187.77)
  TOP w0.4: v1(182.7,1.5) v1(182.2,1) ; v1(182.2,1) v1(182.65,0.55) ; v1(182.2,1) C126.1 ; v1(267.4,103.5) v1(266.62,103.92) v1(265.89,104.32) ; v1(13.5,242.4) 13.51,242.37 v1(14.16,241.99) v1(14.93,241.54) 16.58,240.49 C33.2 17.22,240.22 18.45,239.51 ; U60.2 v1(177.7,5.25) v1(177.05,5.9) ; 53.18,280.99 52.27,282.07 ; U13.4 C25.2 C23.2 41.32,273.31 v1(39.98,274.65) ; J1.3 v1(180,18.7) ; U18.4 13.16,226.52 C36.2 C35.2 10.55,227.71 v1(8.63,228.49) ; v1(182.7,3.1) v1(182.2,2.6) ; v1(182.2,2.6) v1(182.7,2.1) ; v1(182.2,2.6) C125.1 ; v1(177.7,7.57) C117.1 v1(177.07,8.3) ; 101.26,306.27 100.77,307.61 v1(99.94,309.9) v1(99.65,310.7) v1(99.4,311.38) ; C112.2 v1(182.1,8.3) C118.1 v1(181.1,7.57) ; v1(210.1,299.5) 210.12,299.43 v1(209.72,298.74) v1(209.32,298.06) 207.45,294.81 ; v1(183.2,4.4) v1(183.7,3.9) ; v1(183.2,4.4) v1(182.7,3.9) ; v1(183.2,4.4) C120.1 ; v1(175.8,32.6) 175.75,32.63 v1(175.52,33.49) v1(175.34,34.19) 174.67,36.66 174.29,38.08 ; v1(155.5,316.67) v1(155.43,315.9) v1(155.36,315.06) 155.22,313.44 155.12,312.28 155,310.9 ; v1(279.2,213.21) v1(278.4,212.99) v1(277.61,212.78) ; v1(252.5,264.14) v1(251.79,263.54) v1(251.19,263.04) 249.44,261.57 248.16,260.5 ; v1(125.71,29) v1(125.78,29.85) v1(125.86,30.71) ; C21.2 51.77,282.61 v1(50.49,284.19) v1(50.04,284.74) v1(49.65,285.2) ; v1(130,30.3) v1(130,29.5) v1(130,28.6) 130,25.55 129.45,25 U49.1 ; v1(170.1,24.2) v1(170.1,23.25) ; v1(28.1,81.73) v1(28.67,82.21) v1(29.23,82.68) ; v1(177.75,25.22) v1(177.1,25.22) ; v1(230.39,61.83) v1(230.89,61.24) v1(231.5,60.5) ; U55.2 v1(172.37,17.15)
  TOP w0.42: J1.3 v1(179.2,16.9) ; v1(172.4,15) 171.9,14.5 C107.2 ; J1.2 v1(184,16.9) ; v1(182.43,18.7) J1.4 v1(180,18.7) ; C106.1 v1(178.2,17.9)
  TOP w0.5: C54.2 6.47,148.44 6.4,148.61 C53.2 6.22,149.66 arc(6.2,149.94) 6.26,150.21 U27.1 ; U46.1 162.65,38.73 arc(162.93,38.62) 163.24,38.62 C90.2 164.33,38.81 164.42,38.86 C89.2 ; v1(84.1,39.8) 84.2,39.84 v1(84.45,40.44) v1(84.74,41.16) 86.4,45.27 ; v1(38.8,275.6) 39.06,275.6 v1(39.41,275.24) v1(39.98,274.65) U13.4 ; C30.2 28.31,249.78 C29.2 29.49,251.39 arc(29.74,251.61) 30.06,251.68 30.52,251.68 U15.1 ; C67.2 252.27,95.21 arc(252.2,95.12) 252.15,95.03 252.12,94.96 arc(252.06,94.86) 252,94.78 C68.2 251.39,94.05 arc(251.18,93.86) 250.92,93.72 U34.1 ; U22.1 274.26,194.36 arc(274.33,194.64) 274.34,194.94 C44.2 274.24,195.99 274.16,196.14 C43.2 ; U12.4 238.86,270 C26.2 239.82,271.06 239.96,271.1 C24.2 v1(242,273.4) v1(242.54,273.98) v1(243.1,274.58) ; C31.2 255.28,245.42 C32.2 255.83,244.46 arc(255.93,244.17) 255.93,243.87 U16.1 ; C88.2 112.03,39.67 arc(111.9,39.7) 111.77,39.74 C87.2 110.64,40.08 arc(110.34,40.21) 110.09,40.43 U44.1 ; C42.2 7.4,200.84 7.4,201.12 7.58,201.3 C41.2 7.66,202.56 arc(7.77,202.87) 7.97,203.12 U21.1 ; U18.4 v1(8.63,228.49) v1(7.88,228.81) 7.25,229.07 v1(7.2,229.2) ; U43.4 C84.2 193.2,43.4 C86.2 193.78,42.04 v1(194.41,40.26) v1(194.68,39.59) v1(194.97,38.89) ; U33.1 25.3,100.87 arc(25.36,100.6) 25.47,100.34 C65.2 26,99.41 26.03,99.29 C66.2 ; v1(85.9,306.8) 85.95,306.78 v1(86.26,306.04) v1(86.57,305.31) 87.56,302.98 88.11,301.69 U6.4 ; U28.1 272.71,141.93 arc(272.92,142.14) 273.04,142.4 C56.2 273.31,143.41 273.26,143.6 C55.2 ; U36.4 41.47,75.21 40.4,74.17 v1(38.6,72.43) v1(38.07,71.93) v1(37.5,71.37) ; U19.4 270.36,225.53 v1(272.82,226.52) v1(273.6,226.84) 274.38,227.15 v1(274.4,227.2) ; C58.2 5.07,132.85 v1(3.21,132.52) v1(2.39,132.3) v1(1.7,132.12) ; U7.4 194.1,300.02 194.56,301.15 195.06,302.41 v1(195.9,304.49) v1(196.22,305.28) 196.53,306.03 v1(196.5,306.1) ; U3.1 117.66,306.59 arc(117.37,306.69) 117.06,306.68 C6.2 115.97,306.49 115.88,306.44 C7.2 ; U25.4 C49.2 C50.2 v1(283.2,171.9) v1(284,171.9) v1(285.1,171.9) ; C79.2 214.07,58.53 213.78,58.51 C80.2 212.91,57.9 arc(212.66,57.78) 212.38,57.76 U40.1 ; U31.4 267.51,119.09 268.92,118.49 269.9,118.07 v1(271.98,117.19) v1(272.79,116.85) v1(273.6,116.5) ; U1.4 C3.2 C1.2 v1(141.4,315.8) v1(141.4,316.6) v1(141.4,317.4) ; U48.4 C94.2 C96.2 v1(139.5,29.8) v1(139.5,29) v1(139.5,28.3) ; C9.2 C10.2 170.62,305.03 arc(170.92,304.92) 171.17,304.73 U5.1 ; v1(241.9,69.9) 241.9,69.91 v1(241.31,70.51) v1(240.76,71.06) C74.2 238.39,73.41 C72.2 237.39,74.4 U37.4 ; v1(-4.2,173.8) v1(-3.4,173.8) v1(-2.5,173.8) C47.2 C48.2 U24.4 ; C78.2 63.35,60.75 arc(63.19,60.89) 63.02,61.03 C77.2 62.11,61.67 arc(61.88,61.9) 61.74,62.19 U39.1 ; U30.4 v1(7.87,119.03) v1(7.11,118.72) 6.42,118.45 v1(6.4,118.4) ; C18.2 66.32,287.2 arc(66.41,287.27) 66.51,287.33 C17.2 67.35,287.87 67.46,287.87 67.71,288.13 U9.1 ; C19.2 218.75,284.04 218.75,283.94 C20.2 219.72,283.05 arc(219.93,282.78) 220,282.44 220,282.17 arc(220.03,282.01) 220.12,281.88 U10.1